# Altium PCB Testopstelling_DA_BOX_V1.0.PcbDoc (part 2 of 3)
Units mm, origin at the board's own origin, x right, y up, seen from the top; angles counter-clockwise.
Board outline 131.19 x 196.6 mm, 6 copper layers (Top Layer, PGND, 3.3V (DVDD), Extra signal layer, AGND, Bottom Layer), stack 0.816 mm thick; 200 components, 124 nets, 776 pads, 263 vias.
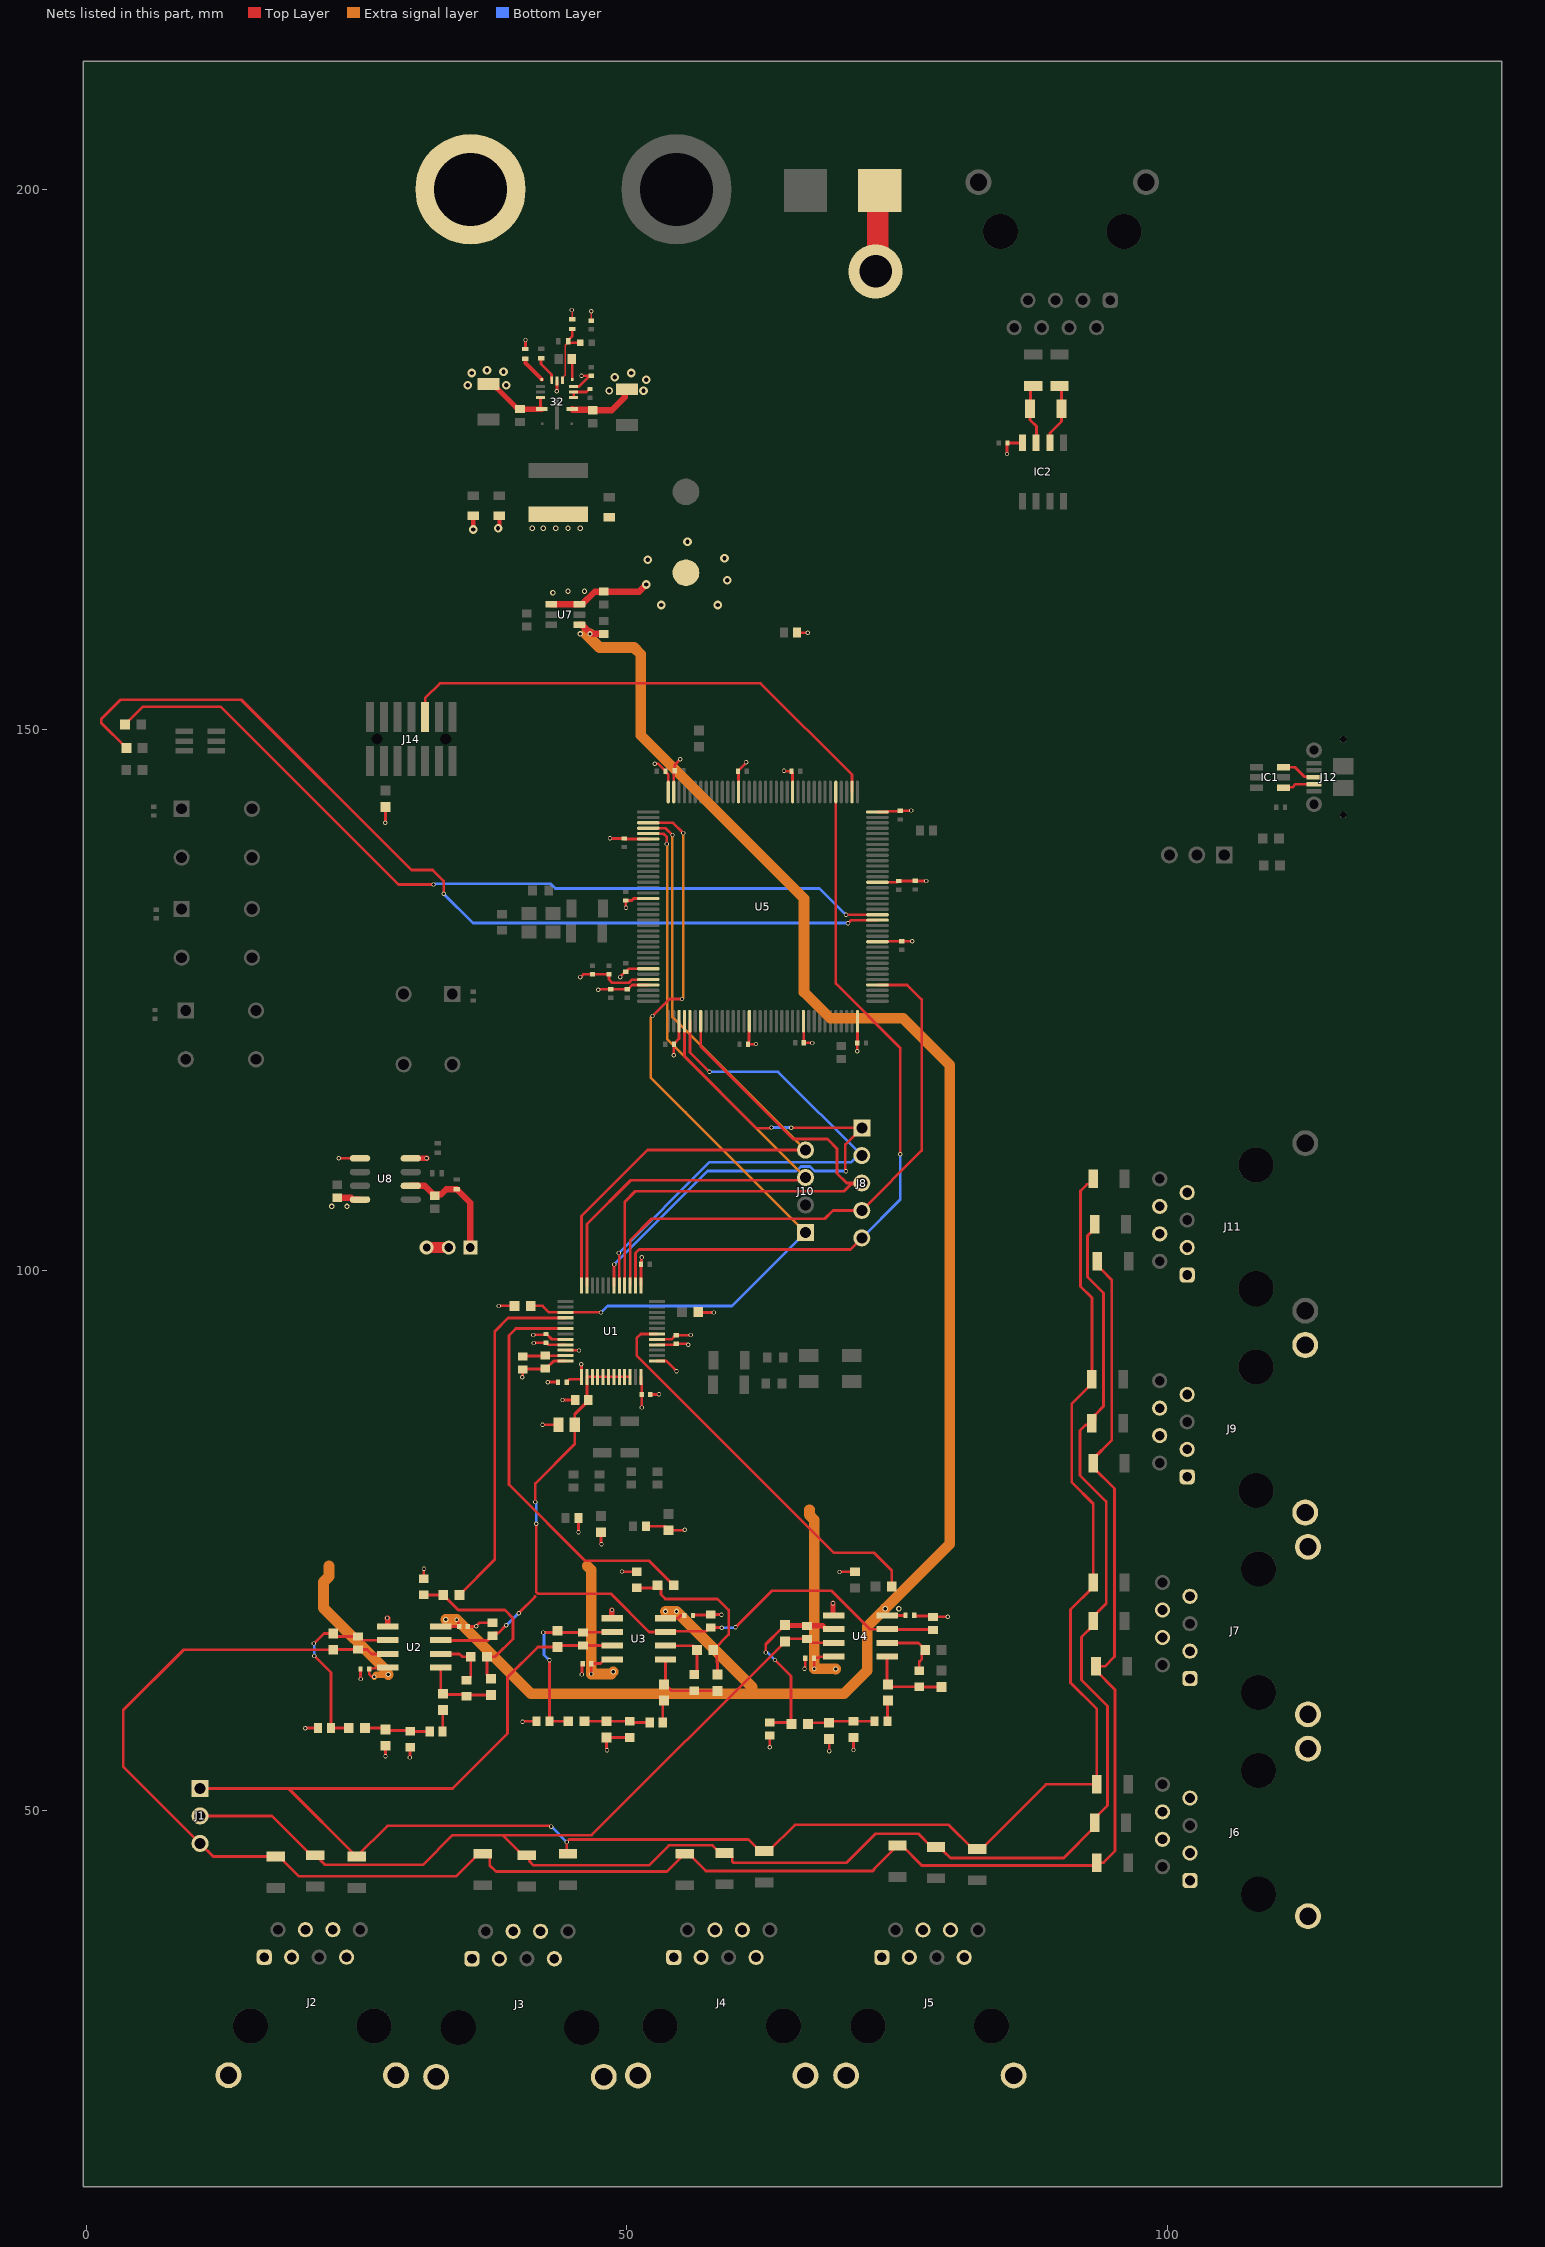
[diagram p6: the nets of this part, all layers, seen from the top]

## Part data (continued)
J1 J13: library part CMP-05379-000017-1, "CONN HEADER VERT 3POS 2.54MM / Euro circruits generic component: / GPHA-1X03", Color=Black, Current Rating=2.5A, Max Operating Temperature=105°C, Min Operating Temperature=-40°C, Package Quantity=100, Voltage Rating=1.5kV, Connector Type="Male Pin", Contact Gender=Male, Contact Material="Copper Alloy", Contact Mating Length=0.318inch, Contact Plating=Gold, Contact Type="Male Pin", Depth=2.92mm, Eurocircuits_generic_part_number=GPHA-1X03, Gender=Male, Housing Color=Black, Housing Material=Polycyclohexylenedimethylene, Length=7.6mm, Max Current Rating=2.5A, Mount="Through Hole", Number of Positions=3, Number of Rows=1, Orientation=Straight, Packaging=Bulk, Pitch=2.54mm, RoHS Compliant=Yes, Series=929, Termination=Solder
J2 J3 J4 J5 J6 J7 J9 J11 J16: library part CMP-1502-01695-2, Color=Black, Contact Resistance=20mΩ, Current Rating=1.5A, Flammability Rating="UL94 V-0", Insulation Resistance=500MΩ, Max Operating Temperature=85°C, Min Operating Temperature=-40°C, Operating Supply Voltage=120V, Connector Type="RJ45, Socket", Contact Material=Copper, Contact Plating=Gold, Depth=21.2mm, Direction=Down, Gender=Female, Height=19.95mm, Housing Material=PBT, Insulation Material=PBT, Length=13.65mm, Mount="PCB, Through Hole", NexarPartId=8917800, Number of Contacts=8, Number of Ports=1, Number of Positions=8, Number of Rows=1, Orientation="Right Angle", REACH SVHC=Unknown, RoHS=Compliant, Shielding=Shielded, Termination="Through Hole", Voltage Rating (AC)=120V, Voltage Rating (DC)=120V, Width=15.88mm
J8: library part CMP-00257-00278173-1, "GENERIC PART NUMBER: GPHA-1X05 /  / 22-28-4050 KK® 254 Breakaway Header, Vertical, 5 Circuits, Tin (Sn) Plating, Mating Pin Length 6.09mm", Color=Black, Contact Resistance=20mΩ, Current Rating=4A, Flammability Rating="UL94 V-0", GENERIC PART NUMBER=GPHA-1X05, Max Operating Temperature=75°C, Max Voltage Rating (DC)=250.25kV, Min Operating Temperature=0°C, Voltage Rating=250V, Connector Type="Male Pin", Contact Material=Brass, Contact Mating Length=6.096mm, Contact Plating=Tin, Gender=Male, Glow Wire Compliant=Non-compliant, Height=2.29mm, Housing Color=Black, Housing Material=Thermoplastic, Lead Free="Lead Free", Lead Pitch=2.54mm, Length=12.7mm, Mount="Through Hole", NexarPartId=278173, Number of Circuits=5, Number of Contacts=5, Number of Positions=5, Number of Rows=1, Orientation=Vertical, Packaging=Bulk, Pitch=2.54mm, Radiation Hardening=No, REACH SVHC=Unknown, RoHS=Compliant, Schedule B=8536694040, Termination=Solder, Voltage Rating (DC)=250V, Width=2.49mm
J10: library part CMP-02766-001236-1, "GENERIC PART NUMBER: GPHA-1X04 / CONN HEADER VERT 4POS 2.54MM", GENERIC PART NUMBER=GPHA-1X04, Contact Material=Bronze, Contact Plating=Gold, Gender=Male, Mount="Through Hole", Number of Contacts=4, Number of Rows=1, Packaging=Bulk, Pitch=2.54mm, Radiation Hardening=No, REACH SVHC="No SVHC", Termination=Solder
J12: library part CMP-2000-05827-1, "Micro-USB B Receptacle, Right Angle, Bottom Mount, Surface Mount, with Solder Tabs, -30 to 85 degC, 5-Pin USB, RoHS, Tape and Reel", Manufacturer=Molex, Package Description="5-Leads USB, Micro B, Body 7.5 x 5 mm, Pitch 0.65 mm", Package Reference=MICRO-B, Package Version="Rev. F, 12/2012", Standard Package=1, Voltage - Max=30V, 3D Model=105017-0001.stp, Catalog Drawings=1050170001, Category=Connectors,Interconnects, Circuits=5, Connector Type=USB-microB, Datasheet URL=http://www.molex.com/elqNow/elqRedir.htm?ref=http://www.molex.com/webdocs/datasheets/pdf/en-us/1050170001_IO_CONNECTORS.pdf, Datasheet Version=03/2016, Family=USB,DVI,HDMIConnectors, Featured Product=Micro-USBConnectorsUSBConnectors, Features=Shielded,SolderRetention, Gender=Receptacle, Ingress Protection=-, Manufacturer URL=http://www.molex.com/, Mating Products=WM17145-ND-CABLEMICROUSBBTOSTDA1.0MWM17147-ND-CABLEMICROUSBBTOSTDA2.0MWM17146-ND-CABLEMICROUSBBTOSTDA1.5M, Mounting Technology=SurfaceMount, Mounting Type=BoardCutout,SurfaceMount,RightAngle, Number of Contacts=5, Online Catalog=Molex-MicroUSB, Other Names=WM1399DKR, Package URL=http://www.molex.com/pdm_docs/sd/1050170001_sd.pdf, Packaging=Digi-Reel®, PCN Assembly/Origin=ResinSupplier21/Oct/2015, RoHS Information=1050170001CertofCompliance, Series=-, Specifications=-
J14: "Board Connector, 14 Contact(s), 2 Row(s), Male, Straight, 0.05 inch Pitch, Surface Mount Terminal, Locking, Receptacle", Manufacturer_Name=SAMTEC, Mouser Part Number=200-FTSH10701LDVKA, Arrow Part Number=FTSH-107-01-L-DV-K-A, Arrow Price/Stock=https://www.arrow.com/en/products/ftsh-107-01-l-dv-k-a/samtec?region=europe, Datasheet Link=http://suddendocs.samtec.com/prints/ftsh-1xx-xx-xxx-dv-xxx-xxx-mkt.pdf, Gender=Male, Manufacturer_Part_Number=FTSH-107-01-L-DV-K-A, Mouser Price/Stock=https://www.mouser.co.uk/ProductDetail/Samtec/FTSH-107-01-L-DV-K-A?qs=PB6%2FjmICvI3xEHFou4PhNg%3D%3D, Number of Contacts=14, Pitch=1.27mm
J15: library part CMP-73906-000010-1, "CONN DBL BANANA JACK TURRET", Color=Red, Current Rating=15A, Package Quantity=5, Voltage Rating=2.5kV, Voltage Rating (DC)=70V, Body Material=PC, Contact Material=Brass, Contact Plating=Tin, Depth=16mm, Gender=Female, Height=0.375inch, Housing Color=Red, Housing Material=Polycarbonate, Insulation="Mating End Insulated", Insulation Material=Polycarbonate, Lead Free="Lead Free", Length=24inch, Max Current Rating=15A, Mount=Panel, Number of Contacts=2, Number of Ports=2, Orientation=Straight, Packaging=Bulk, REACH SVHC="No SVHC", RoHS Compliant=Yes, Termination=Solder, Weight=0.033lb, Width=4inch
L1: "8.2 uH Inductor", Manufacturer_Name=COILCRAFT, Mouser Part Number=994-XAL6060-822MEC, Datasheet Link=https://www.coilcraft.com/getmedia/ea51f14b-7f32-4dc6-8dfe-d4b70549040f/xal60xx.pdf, Height=6.1mm, Manufacturer_Part_Number=XAL6060-822MEC, Mouser Price/Stock=https://www.mouser.co.uk/ProductDetail/Coilcraft/XAL6060-822MEC?qs=zCSbvcPd3pZnGF7hddsKzw%3D%3D
LED1: "LED", Manufacturer_Name="Avago Technologies", Mouser Part Number=630-ASMT-YTD7-0AA02, Datasheet Link=https://docs.broadcom.com/docs/AV02-3873EN, Height=1.8mm, Manufacturer_Part_Number=ASMT-YTD7-0AA02, Mouser Price/Stock=https://www.mouser.co.uk/ProductDetail/Broadcom-Avago/ASMT-YTD7-0AA02?qs=eJru1qh8zu7rRIK75I%2FMLw%3D%3D
NT1: library part NET_TIE_SMD, "NET TIE SMD"
R1 R23 R24 R25 R26 R27 R29 R31 R32 R33 R34 R35 R36 R38 R39 R40 R41 R42 R43 R44 R45 R46 R47 R48 R49 R50 R51 R52 R54 R55 R68 R70: library part CMP-00030-39388935-1, "CRCW12060000ZSTA Zero Ohm Resistor, Jumper, 1206 [3216 Metric], Thick Film, 250 mW, Surface Mount", Case Code (Imperial)=1206, Case Code (Metric)=3216, Max Operating Temperature=155°C, Max Power Dissipation=250mW, Min Operating Temperature=-55°C, Resistance=0Ω, Temperature Coefficient=100ppm/°C, Voltage Rating=200V, Case/Package=1206, Composition="Thick Film", Contact Plating="Lead, Tin", Depth=1.6mm, Features="Automotive AEC-Q200", Height=609.6µm, Lead Free="Contains Lead", Length=3.2mm, Military Standard=Not, Mount="Surface Mount", NexarPartId=39388935, Number of Terminations=2, Packaging="Cut Tape", Power Rating=250mW, Radiation Hardening=No, REACH SVHC=Unknown, RoHS=Compliant, Termination=SMD/SMT, Voltage Rating (DC)=200V, Weight=10.007382mg, Width=1.6mm
R2 R9 R16: library part CMP-13261-004935-1, "Res Thick Film 0603 620Ω 1% 0.1W ±100ppm/°C Molded SMD T/R", Case/Package=0603, Max Operating Temperature=155°C, Min Operating Temperature=-55°C, Power Rating=100mW, Temperature Coefficient=100ppm/°C, Tolerance=1%, Voltage Rating (DC)=50V, Composition="Thick Film", Contact Plating=Tin, Depth=0.8mm, Generic part Eurocircuits=GPR0603620R, Lead Free="Lead Free", Length=1.6mm, Military Standard=Not, Packaging="Tape and Reel", Radiation Hardening=No, Resistance=620, Width=800um
R3 R10 R17: library part CMP-13261-004935-1, "Res Thick Film 0603 51kΩ 1% 0.1W ±100ppm/°C Molded SMD T/R", Case/Package=0603, Max Operating Temperature=155°C, Min Operating Temperature=-55°C, Power Rating=100mW, Temperature Coefficient=100ppm/°C, Tolerance=1%, Voltage Rating (DC)=50V, Composition="Thick Film", Contact Plating=Tin, Depth=0.8mm, Generic part Eurocircuits=GPR060351K, Lead Free="Lead Free", Length=1.6mm, Military Standard=Not, Packaging="Tape and Reel", Radiation Hardening=No, Resistance=51k, Width=800um
R4 R6 R11 R13 R18 R20: library part CMP-13261-004935-1, "Res Thick Film 0603 11kΩ 1% 0.1W ±100ppm/°C Molded SMD T/R", Case/Package=0603, Max Operating Temperature=155°C, Min Operating Temperature=-55°C, Power Rating=100mW, Temperature Coefficient=100ppm/°C, Tolerance=1%, Voltage Rating (DC)=50V, Composition="Thick Film", Contact Plating=Tin, Depth=0.8mm, Generic part Eurocircuits=GPR060311K, Lead Free="Lead Free", Length=1.6mm, Military Standard=Not, Packaging="Tape and Reel", Radiation Hardening=No, Resistance=11k, Width=800um
R5 R8 R12 R15 R19 R22 R37 R53 R56: library part CMP-13261-004935-1, "Res Thick Film 0603 10kΩ 1% 0.1W ±100ppm/°C Molded SMD T/R /  / Generic part Eurocircuits: /  GPR060310K", Case/Package=0603, Max Operating Temperature=155°C, Min Operating Temperature=-55°C, Power Rating=100mW, Temperature Coefficient=100ppm/°C, Tolerance=1%, Voltage Rating (DC)=50V, Composition="Thick Film", Contact Plating=Tin, Depth=0.8mm, Generic part Eurocircuits=GPR060310K, Lead Free="Lead Free", Length=1.6mm, Military Standard=Not, Packaging="Tape and Reel", Radiation Hardening=No, Resistance=10k, Width=800um
R7 R14 R21: library part CMP-13261-004935-1, "Res Thick Film 0603 3kΩ 1% 0.1W ±100ppm/°C Molded SMD T/R", Case/Package=0603, Max Operating Temperature=155°C, Min Operating Temperature=-55°C, Power Rating=100mW, Temperature Coefficient=100ppm/°C, Tolerance=1%, Voltage Rating (DC)=50V, Composition="Thick Film", Contact Plating=Tin, Depth=0.8mm, Generic part Eurocircuits=GPR06033K, Lead Free="Lead Free", Length=1.6mm, Military Standard=Not, Packaging="Tape and Reel", Radiation Hardening=No, Resistance=3k, Width=800um
R28: library part CMP-13261-004935-1, "Res Thick Film 0603 560Ω 1% 0.1W ±100ppm/°C Molded SMD T/R /  / Generic part Eurocircuits: /  GPR060310K", Case/Package=0603, Max Operating Temperature=155°C, Min Operating Temperature=-55°C, Power Rating=100mW, Temperature Coefficient=100ppm/°C, Tolerance=1%, Voltage Rating (DC)=50V, Composition="Thick Film", Contact Plating=Tin, Depth=0.8mm, Generic part Eurocircuits=GPR1206560R, Lead Free="Lead Free", Length=1.6mm, Military Standard=Not, Packaging="Tape and Reel", Radiation Hardening=No, Resistance=560, Width=800um
R30: library part CMP-13261-004935-1, "Res Thick Film 0603 3.3kΩ 1% 0.1W ±100ppm/°C Molded SMD T/R /  / Generic part Eurocircuits: /  GPR060310K", Case/Package=0603, Max Operating Temperature=155°C, Min Operating Temperature=-55°C, Power Rating=100mW, Temperature Coefficient=100ppm/°C, Tolerance=1%, Voltage Rating (DC)=50V, Composition="Thick Film", Contact Plating=Tin, Depth=0.8mm, Generic part Eurocircuits=GPR12063K3, Lead Free="Lead Free", Length=1.6mm, Military Standard=Not, Packaging="Tape and Reel", Radiation Hardening=No, Resistance=3.3k, Width=800um
R57: library part CMP-13261-004935-1, "Res Thick Film 0603 33kΩ 1% 0.1W ±100ppm/°C Molded SMD T/R /  / Generic part Eurocircuits: /  GPR060310K", Case/Package=0603, Max Operating Temperature=155°C, Min Operating Temperature=-55°C, Power Rating=100mW, Temperature Coefficient=100ppm/°C, Tolerance=1%, Voltage Rating (DC)=50V, Composition="Thick Film", Contact Plating=Tin, Depth=0.8mm, Generic part Eurocircuits=GPR060333K, Lead Free="Lead Free", Length=1.6mm, Military Standard=Not, Packaging="Tape and Reel", Radiation Hardening=No, Resistance=33k, Width=800um
R58: library part CMP-13261-004935-1, "Res Thick Film 0603 82kΩ 1% 0.1W ±100ppm/°C Molded SMD T/R /  / Generic part Eurocircuits: /  GPR060310K", Case/Package=0603, Max Operating Temperature=155°C, Min Operating Temperature=-55°C, Power Rating=100mW, Temperature Coefficient=100ppm/°C, Tolerance=1%, Voltage Rating (DC)=50V, Composition="Thick Film", Contact Plating=Tin, Depth=0.8mm, Generic part Eurocircuits=GPR060382K, Lead Free="Lead Free", Length=1.6mm, Military Standard=Not, Packaging="Tape and Reel", Radiation Hardening=No, Resistance=82k, Width=800um
R59: library part CMP-13261-004935-1, "Res Thick Film 0603 22Ω 1% 0.1W ±100ppm/°C Molded SMD T/R /  / Generic part Eurocircuits: /  GPR060310K", Case/Package=0603, Max Operating Temperature=155°C, Min Operating Temperature=-55°C, Power Rating=100mW, Temperature Coefficient=100ppm/°C, Tolerance=1%, Voltage Rating (DC)=50V, Composition="Thick Film", Contact Plating=Tin, Depth=0.8mm, Generic part Eurocircuits=GPR060322R, Lead Free="Lead Free", Length=1.6mm, Military Standard=Not, Packaging="Tape and Reel", Radiation Hardening=No, Resistance=22, Width=800um
R60 R62 R64: library part CMP-02407-010951-1, "RES 100K OHM 1% 1/16W 0402", Case/Package=SMD/SMT, Max Operating Temperature=155°C, Min Operating Temperature=-55°C, Power Rating=62.5mW, Resistance=100kR, Resistor Type="Thick Film", Temperature Coefficient=100ppm/°C, Tolerance=1%, Contact Plating=Tin, Lead Free="Lead Free", Length=1mm, Mount="Surface Mount", RoHS Compliant=Yes, Termination=Wraparound
R61: library part CMP-2002-00057-2, "RES Thick Film, 4.99kΩ, 1%, 0.063W, 100ppm/°C, 0402", Case Code (Imperial)=0402, Case Code (Metric)=1005, Max Operating Temperature=155°C, Max Power Dissipation=63mW, Min Operating Temperature=-55°C, Package Quantity=10, Resistance=4.99kR, Temperature Coefficient=100ppm/°C, Tolerance=1%, Voltage Rating=50V, Case/Package=0402, Composition="Thick Film", Contact Plating=Tin, Depth=0.5mm, Features="Automotive AEC-Q200", Height=0.35mm, Lead Free="Lead Free", Length=1mm, Military Standard=Not, Mount="Surface Mount", Number of Terminations=2, Packaging="Tape and Reel", Power Rating=63mW, Radiation Hardening=No, Termination=SMD/SMT, Voltage Rating (DC)=50V, Weight=2.3E-05oz, Width=0.5mm
R63: library part CMP-02407-010951-1, "RES 43k OHM 1% 1/16W 0402", Case/Package=SMD/SMT, Max Operating Temperature=155°C, Min Operating Temperature=-55°C, Power Rating=62.5mW, Resistor Type="Thick Film", Temperature Coefficient=100ppm/°C, Tolerance=1%, Contact Plating=Tin, Lead Free="Lead Free", Length=1mm, Mount="Surface Mount", Resistance=43k, RoHS Compliant=Yes, Termination=Wraparound
R65: library part CMP-02407-010951-1, "RES 270K OHM 1% 1/16W 0402", Case/Package=SMD/SMT, Max Operating Temperature=155°C, Min Operating Temperature=-55°C, Power Rating=62.5mW, Resistance=270kR, Resistor Type="Thick Film", Temperature Coefficient=100ppm/°C, Tolerance=1%, Contact Plating=Tin, Lead Free="Lead Free", Length=1mm, Mount="Surface Mount", RoHS Compliant=Yes, Termination=Wraparound
R66 R67: library part CMP-02407-010951-1, "RES 20K OHM 1% 1/16W 0402", Case/Package=SMD/SMT, Max Operating Temperature=155°C, Min Operating Temperature=-55°C, Power Rating=62.5mW, Resistance=20kR, Resistor Type="Thick Film", Temperature Coefficient=100ppm/°C, Tolerance=1%, Contact Plating=Tin, Lead Free="Lead Free", Length=1mm, Mount="Surface Mount", RoHS Compliant=Yes, Termination=Wraparound
R69: library part CMP-00030-39388935-1, "CRCW12060000ZS120 Ohm Resistor, Jumper, 1206 [3216 Metric], Thick Film, 250 mW, Surface Mount", Case Code (Imperial)=1206, Case Code (Metric)=3216, Max Operating Temperature=155°C, Max Power Dissipation=250mW, Min Operating Temperature=-55°C, Resistance=120Ω, Temperature Coefficient=100ppm/°C, Voltage Rating=200V, Case/Package=1206, Composition="Thick Film", Contact Plating="Lead, Tin", Depth=1.6mm, Features="Automotive AEC-Q200", Height=609.6µm, Lead Free="Contains Lead", Length=3.2mm, Military Standard=Not, Mount="Surface Mount", NexarPartId=39388935, Number of Terminations=2, Packaging="Cut Tape", Power Rating=250mW, Radiation Hardening=No, REACH SVHC=Unknown, RoHS=Compliant, Termination=SMD/SMT, Voltage Rating (DC)=200V, Weight=10.007382mg, Width=1.6mm
R71 R72: library part CMP-13261-004935-1, "Res Thick Film 0603 39Ω 1% 0.1W ±100ppm/°C Molded SMD T/R /  / Generic part Eurocircuits: /  GPR060310K", Case/Package=0603, Max Operating Temperature=155°C, Min Operating Temperature=-55°C, Power Rating=100mW, Resistance=39Ohm, Temperature Coefficient=100ppm/°C, Tolerance=1%, Voltage Rating (DC)=50V, Composition="Thick Film", Contact Plating=Tin, Depth=0.8mm, Generic part Eurocircuits=GPR060310K, Lead Free="Lead Free", Length=1.6mm, Military Standard=Not, Packaging="Tape and Reel", Radiation Hardening=No, Width=800um
R73: library part CMP-13261-004935-1, "Res Thick Film 0603 82Ω 1% 0.1W ±100ppm/°C Molded SMD T/R /  / Generic part Eurocircuits: /  GPR060310K", Case/Package=0603, Max Operating Temperature=155°C, Min Operating Temperature=-55°C, Power Rating=100mW, Temperature Coefficient=100ppm/°C, Tolerance=1%, Voltage Rating (DC)=50V, Composition="Thick Film", Contact Plating=Tin, Depth=0.8mm, Generic part Eurocircuits=GPR060310K, Lead Free="Lead Free", Length=1.6mm, Military Standard=Not, Packaging="Tape and Reel", Radiation Hardening=No, Resistance=82, Width=800um
SW1 SW2 SW3 SW4: library part CMP-1677-00002-1, "Tactile Switch, SPST-NO, 0.05 A, 5 to 24 V, -25 to 70 degC, 4-Pin THD, RoHS, Bulk", Capacitance="-45 f", Current Rating="1.5 A", Max Operating Temperature="70 degC", Min Operating Temperature="-40 degC", Package Quantity=1080, Voltage Rating="150 V", ComponentLink1Description="Manufacturer URL", ComponentLink1URL=http://www.omron.com/, ComponentLink2Description=Datasheet, ComponentLink2URL=http://www.omron.com/ecb/products/pdf/en-b3f.pdf, Contact Material=Brass, Contact Plating=Gold, DatasheetVersion=Jan-15, Gender=Female, Height="14.99 mm", Lead Pitch="1.27 mm", Length="18.34 mm", Mount="Through Hole", PackageDescription="4-Pin Through Hole Device, Body 6 x 6 mm", PackageReference=B3F-1000, Packaging=Tray, Pins=8, Radiation Hardening=No, RoHSCompliant=true, Shielding=Shielded, Width="25.4 mm"
U1: "No Description Available", Mfr_Name="Analog Devices Inc", RefDes=RefDes, Type=Type
U5: library part CMP-0243-00227-1, "ARM Cortex-M4 32-bit MCU+FPU, 512 KB Flash, 128 KB Internal RAM, 114 I/Os, 144-Pin LQFP, -40 to 105 degC, Tray", I/Os (High Current)=114, Operating Frequency(F) (Processor speed) (MHz)=180, Package Description=LQFP144, Package Reference="144-Pin Low Profile Quad Flat Package, Body 20 x 20 mm, Pitch 0.5 mm", Supply Voltage(Vcc) min (V)=1.7, ComponentLink1Description="Manufacturer URL", ComponentLink1URL=http://www.st.com/, ComponentLink2Description=Datasheet, ComponentLink2URL=http://www.st.com/st-web-ui/static/active/en/resource/technical/document/datasheet/DM00141306.pdf, Core="ARM Cortex-M4", D/A Converter=2, DatasheetVersion="Rev. 6", FLASH Size (Prog) (kB)=512, Internal RAM Size (kB)=128, Mounting Technology="Surface Mount", Packing=Tray
U7: library part CMP-04918-000109-1, "IC REG CHARGE PUMP INV SOT23", Ambient Temperature Range High=+85°C, Ambient Temperature Range Low=-40°C, Manufacturer="Texas Instruments", Max Junction Temp=+125°C, Max Supply Voltage=5.5V, Min Supply Voltage=2.7V, Negative Voltage Available=true, Nominal Supply Current=100uA, Output Current=200mA, Output Voltage=-2.7-5.5V, Package=DBV0006A, Switching Frequency=2MHz, Temperature="-40°C to +85°C", Automotive=No, Category=IC, ComponentLink2Description=Datasheet, ComponentLink2URL=http://www.ti.com/lit/ds/symlink/lm2776.pdf, Device Class L1="Integrated Circuits (ICs)", Device Class L2="Power Management ICs", Device Class L3="Voltage Regulators - Switching", Digikey Description="IC REG CHARGE PUMP INV SOT23", Height=1.45mm, Lead Free=Yes, Manufacturer Part Number=LM2776DBVR, Number Of Outputs=1, Octopart=https://octopart.com/lm2776dbvr-texas+instruments-58839919, Output Type=Fixed, RoHS=TRUE, Standoff Height=0mm, Switching Topology="Charge Pump", Temperature Range High=+85°C, Temperature Range Low=-40°C